# Altium PCB 10515.0462_全联供主板(2拼版)_V1.0.PcbDoc (part 7 of 18) (continued)
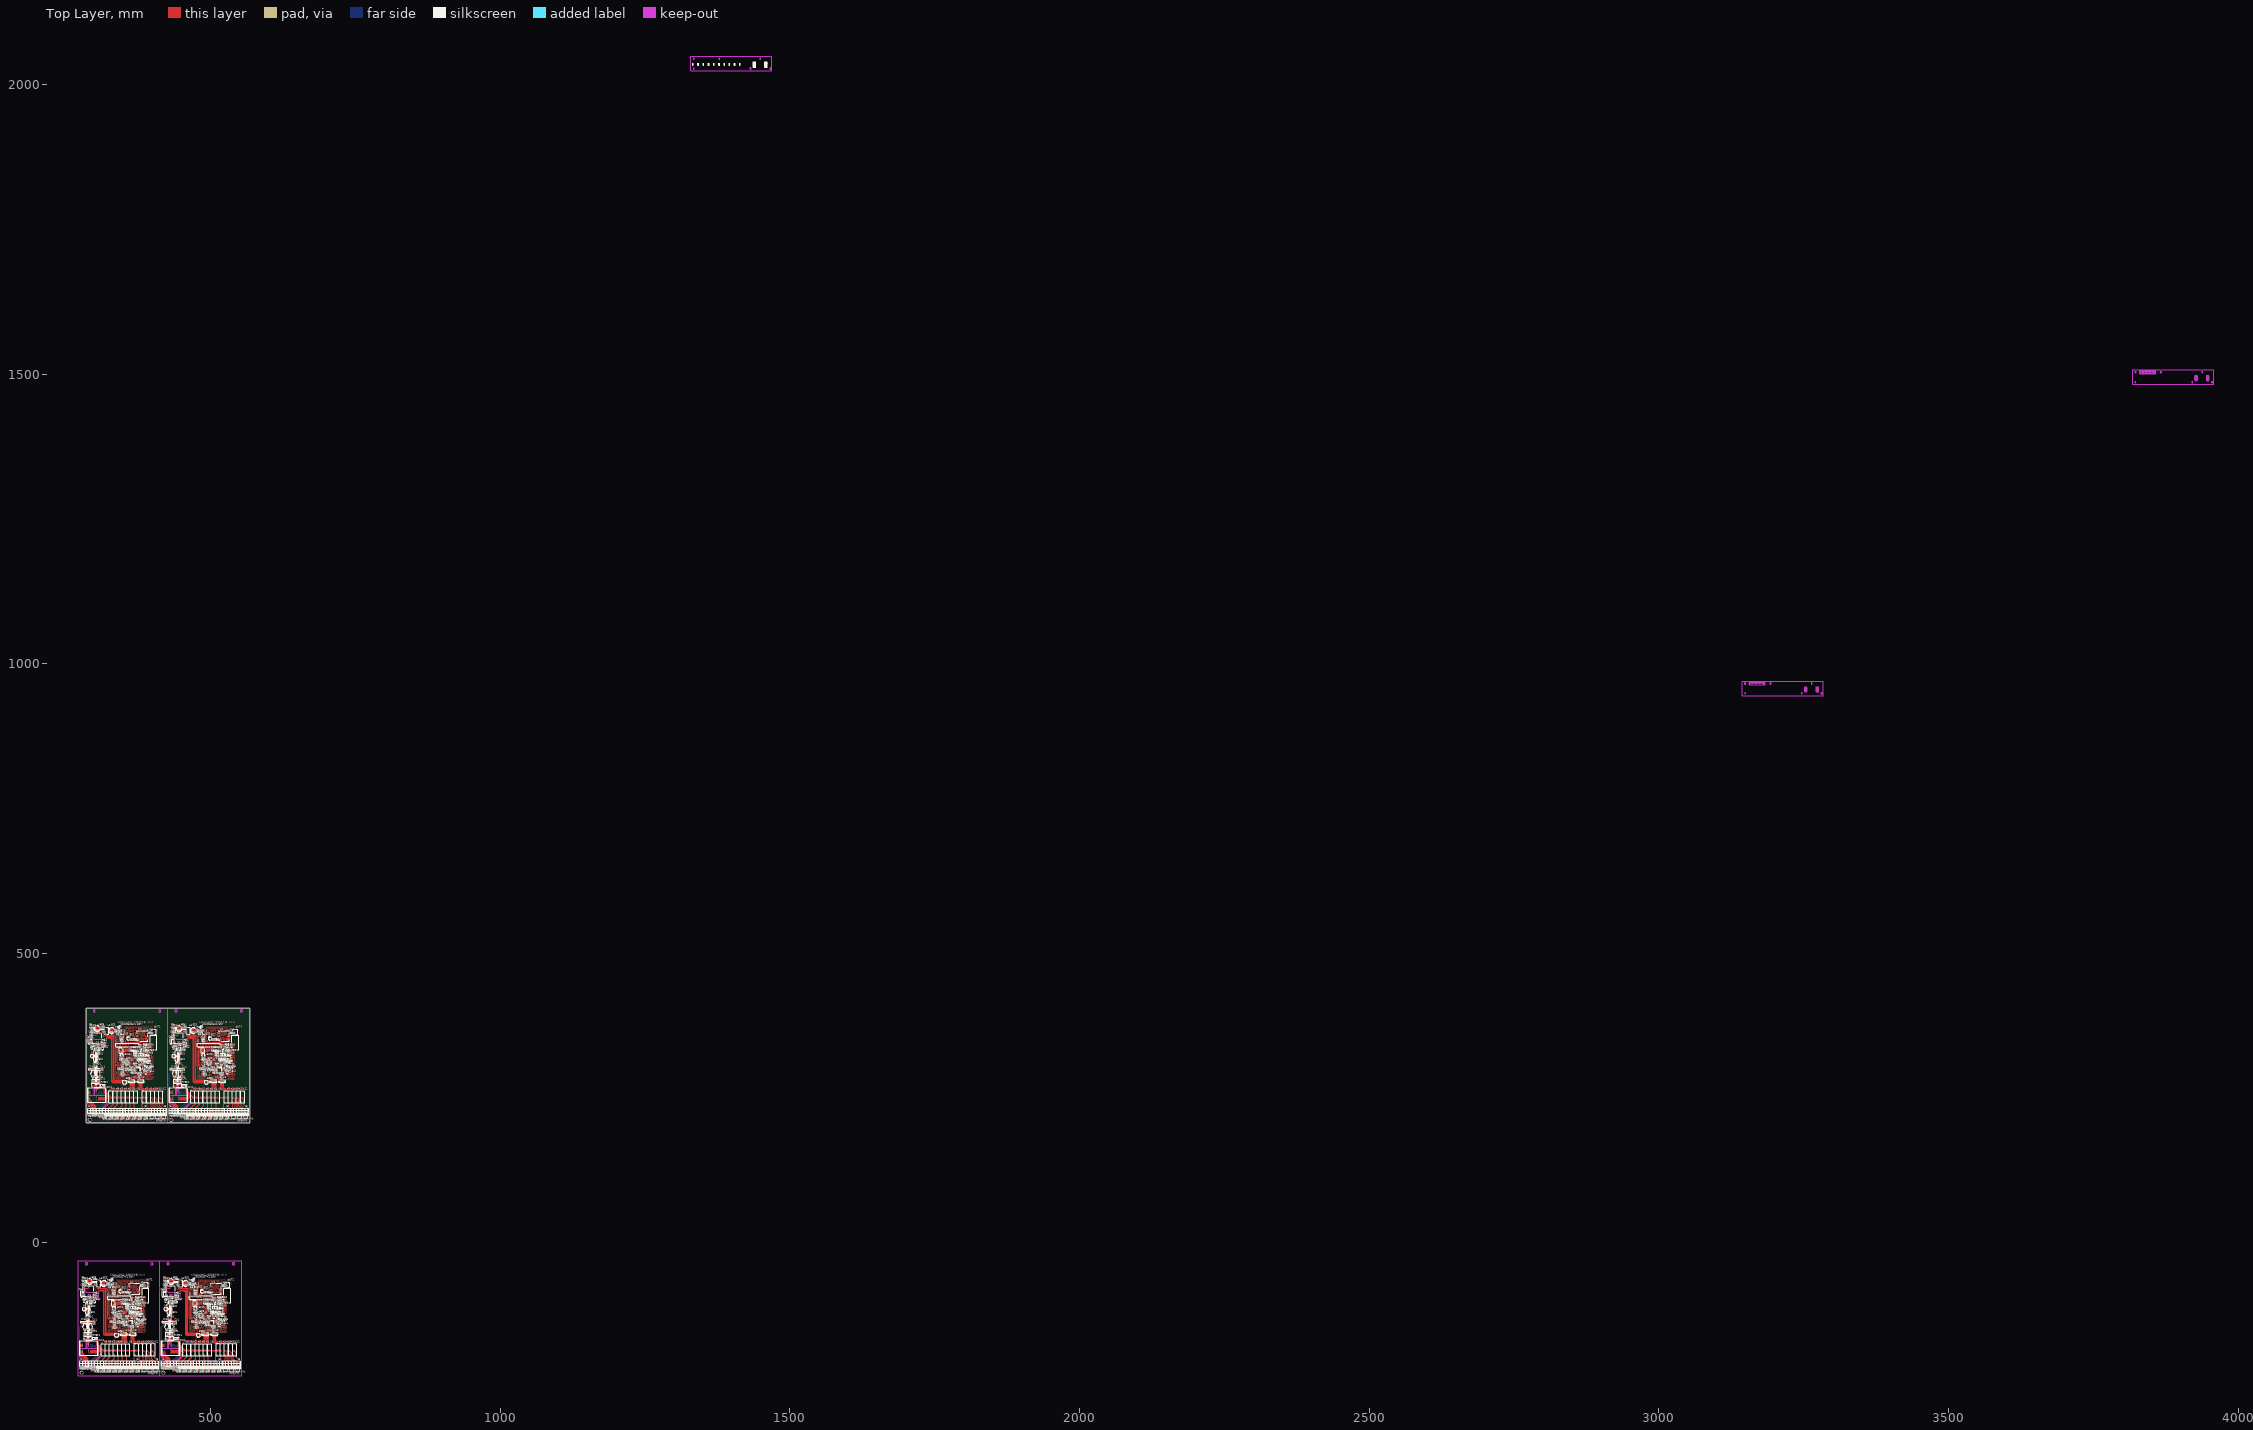
[diagram p0: Top Layer view]
## Nets (pads, with @x,y where several pads share a name; then routed paths per layer and width w, separated by ;. In a path a pad name is that pad's centre, name@x,y a point inside that pad or via, vN(x,y) a via of type N, cw(c..) or ccw(c..) an arc to the next point about the centre after c; other vN are vias at no path point) (continued)
488.145,293.81 488.145,295.08 488.145,295.887 488.365,296.107 v1(491.032,296.107) ; 486.01,345.95 cw(c486.453,345.507) 486.744,346.062 ; 486.356,346.295 cw(c486.828,345.823) 486.828,346.491 ; 486.492,345.848 ccw(c486.117,346.222) 486.647,346.222 ; 486.7,346.094 ccw(c486.39,345.785) 486.39,346.222 ccw(c486.39,346.66) 486.7,346.351 ; 486.852,-158.804 cw(c485.967,-159.688) 487.218,-159.688 ; 486.986,-136.564 ccw(c486.676,-136.873) 486.676,-136.435 ccw(c486.676,-135.997) 486.986,-136.307 ; 487.343,-160.438 487.343,-159.295 486.683,-158.635 ; 487.343,-159.919 487.309,-159.885 487.309,-158.635 ; 487.343,-154.85 487.343,-156.236 ; 487.415,262.745 ccw(c486.882,263.498) 487.804,263.498 ; 487.463,-105.32 487.465,-105.318 ; 487.69,-156.984 487.343,-156.637 487.343,-156.236 ; 487.804,261.843 487.804,263.498 ; 487.991,305.543 cw(c487.681,305.233) 488.119,305.233 cw(c488.557,305.233) 488.248,305.543 ; 488.017,294.952 cw(c487.707,294.642) 488.145,294.642 cw(c488.583,294.642) 488.273,294.952 ; 488.017,295.208 ccw(c487.707,295.518) 488.145,295.518 ccw(c488.583,295.518) 488.273,295.208 ; 488.071,-86.107 492.034,-86.107 492.161,-85.98 ; 488.08,298.637 ccw(c487.77,298.947) 488.208,298.947 ccw(c488.646,298.947) 488.337,298.637 ; v1(488.119,302.466) 488.119,305.544 ; 488.194,262.745 cw(c488.726,263.498) 487.804,263.498 ; 488.495,-174.752 488.495,-173.765 489.502,-172.757 493.566,-172.757 494.963,-171.36 494.963,-169.074 494.963,-160.438 ; 488.71,-174.336 cw(c489.715,-174.03) 488.972,-173.288 ; 488.836,-86.107 ccw(c488.836,-85.644) 489.163,-85.971 ; 488.836,-84.456 ccw(c488.836,-83.993) 489.163,-84.32 ; 488.871,-86.107 cw(c488.871,-86.52) 489.163,-86.228 ; 488.871,-84.456 cw(c488.871,-84.869) 489.163,-84.577 ; 489.14,-174.205 cw(c490.527,-173.782) 489.502,-172.757 ; 489.419,-86.228 cw(c489.712,-86.52) 489.712,-86.107 ; 489.419,-85.971 ccw(c489.746,-85.644) 489.746,-86.107 ; 489.419,-84.577 cw(c489.712,-84.869) 489.712,-84.456 ; 489.419,-84.32 ccw(c489.746,-83.993) 489.746,-84.456 ; 489.642,305.543 cw(c489.353,305.254) 489.762,305.254 ; 489.668,294.952 cw(c489.358,294.642) 489.796,294.642 cw(c490.234,294.642) 489.924,294.952 ; 489.731,298.637 ccw(c489.421,298.947) 489.859,298.947 ccw(c490.297,298.947) 489.988,298.637 ; 489.762,305.213 cw(c490.229,305.213) 489.899,305.543 ; 489.762,305.505 489.762,304.639 490.188,304.213 492.019,304.213 ; 489.859,298.509 489.859,302.51 490.293,302.943 492.019,302.943 494.166,302.943 494.622,303.399 ; 489.962,294.952 cw(c490.272,294.642) 490.272,295.08 cw(c490.272,295.518) 489.962,295.208 ; 490.533,-86.235 ccw(c490.223,-86.545) 490.223,-86.107 ccw(c490.223,-85.669) 490.533,-85.978 ; 490.533,-84.584 ccw(c490.223,-84.894) 490.223,-84.456 ccw(c490.223,-84.018) 490.533,-84.327 ; 490.789,-86.235 cw(c491.099,-86.545) 491.099,-86.107 cw(c491.099,-85.669) 490.789,-85.978 ; 490.789,-84.546 cw(c491.191,-84.947) 491.191,-84.379 ; 490.899,-143.143 490.901,-143.141 491.754,-143.141 492.727,-143.141 ; 491.027,-143.272 cw(c491.343,-143.587) 491.343,-143.141 ; 491.027,-143.015 ccw(c491.331,-142.711) 491.331,-143.141 ; v1(491.323,298.484) 494.699,298.484 499.271,298.484 ; 491.378,-86.107 ccw(c491.378,-85.235) 491.994,-85.851 ; v1(491.401,295.08) 489.796,295.08 489.796,293.81 490.054,293.552 492.089,293.552 ; v1(491.895,-141.49) 492.657,-141.49 ; 492.019,300.403 494.481,300.403 494.724,300.16 496.146,300.16 ; 492.019,301.673 496.071,301.673 496.146,301.748 ; 492.423,-160.438 492.423,-167.677 492.423,-169.963 491.28,-171.106 476.167,-171.106 474.175,-173.098 ; 492.599,-143.269 ccw(c492.289,-143.579) 492.289,-143.141 ccw(c492.289,-142.703) 492.599,-143.013 ; 492.599,-141.618 ccw(c492.289,-141.928) 492.289,-141.49 ccw(c492.289,-141.052) 492.599,-141.362 ; 492.727,-141.49 493.419,-141.49 v1@493.888,-141.021 ; 492.855,-141.618 cw(c493.165,-141.928) 493.165,-141.49 cw(c493.165,-141.052) 492.855,-141.362 ; 493.141,-96.175 cw(c492.225,-97.092) 493.521,-97.092 cw(c494.817,-97.092) 493.901,-96.175 ; v1@493.151,-133.126 v1@493.151,-127.28 ; 493.151,-127.888 cw(c493.886,-127.888) v1@493.367,-127.368 ; 493.176,302.943 ccw(c493.176,304.807) 494.494,303.489 ; 493.521,-95.795 493.521,-98.821 493.913,-99.213 497.977,-99.213 498.298,-99.534 498.298,-107.281 498.624,-107.606 500.15,-107.606 500.15,-107.65 ; 493.546,-141.363 ccw(c492.96,-140.777) v1@493.788,-140.747 ; 493.705,300.403 cw(c493.705,299.179) 494.571,300.045 ; 493.812,-85.98 493.962,-86.13 500.303,-86.13 ; 493.978,-85.851 ccw(c494.651,-85.179) 494.651,-86.13 ; 494.095,301.673 ccw(c494.095,302.236) 494.494,301.838 ; 494.247,303.024 cw(c494.622,302.649) 494.622,303.179 ; 494.262,302.943 ccw(c494.262,303.72) 494.812,303.171 ; 494.448,-105.32 494.448,-105.318 ; 494.571,298.355 ccw(c494.261,298.046) 494.261,298.484 ccw(c494.261,298.922) 494.571,298.612 ; 494.739,262.179 cw(c496.053,262.265) 495.122,263.195 ; 494.75,301.838 ccw(c495.148,302.236) 495.148,301.673 ; 494.801,-86.13 ccw(c494.801,-85.482) 495.259,-85.94 ; 494.827,298.355 cw(c495.137,298.046) 495.137,298.484 cw(c495.137,298.922) 494.827,298.612 ; 494.827,300.045 cw(c495.106,299.765) 495.106,300.16 ; 494.827,300.301 ccw(c495.167,300.641) 495.167,300.16 ; 494.964,261.843 494.964,263.037 496.527,264.6 505.798,264.6 507.322,266.124 507.322,268.41 507.322,276.157 ; 495.12,-173.925 ccw(c492.432,-171.237) 496.233,-171.237 ; 495.188,262.208 cw(c497.371,262.351) 495.824,263.898 ; 495.259,-84.508 ccw(c494.949,-84.817) 494.949,-84.379 ccw(c494.949,-83.941) 495.259,-84.251 ; 495.438,-174.243 ccw(c493.518,-172.323) 496.233,-172.323 ; 495.515,-85.94 ccw(c495.974,-85.482) 495.974,-86.13 ; 495.515,-84.508 cw(c495.825,-84.817) 495.825,-84.379 cw(c495.825,-83.941) 495.515,-84.251 ; 495.619,301.673 ccw(c495.619,302.236) 496.018,301.838 ; 495.637,262.238 cw(c498.689,262.437) 496.527,264.6 ; 495.756,-174.561 ccw(c494.605,-173.41) 496.233,-173.41 ; 495.931,-128.218 ccw(c495.591,-127.877) 496.072,-127.877 ; 495.965,-129.626 ccw(c495.645,-129.306) 496.098,-129.306 ; 495.969,-128.474 cw(c495.66,-128.784) 496.098,-128.784 cw(c496.535,-128.784) 496.226,-128.474 ; 495.979,300.032 ccw(c495.67,299.722) 495.67,300.16 ccw(c495.67,300.598) 495.979,300.288 ; 496.072,-128.321 v1(496.072,-127.28) ; 496.072,-127.939 ccw(c496.467,-127.939) 496.188,-128.218 ; 496.098,-129.721 496.098,-128.346 ; 496.098,-129.327 ccw(c496.521,-129.327) 496.222,-129.626 ; 496.099,-103.669 496.111,-103.658 v1(496.961,-103.658) ; 496.101,-101.941 v1(496.945,-101.941) ; 496.146,303.399 v1(497.076,303.399) ; 496.198,-86.13 ccw(c496.198,-85.482) 496.656,-85.94 ; 496.233,-171.83 496.233,-171.222 ; 496.233,-160.438 496.233,-171.222 ; 496.265,-103.798 cw(c496.603,-104.135) 496.603,-103.658 ; 496.265,-103.541 ccw(c496.548,-103.259) 496.548,-103.658 ; 496.268,-102.07 cw(c496.577,-102.379) 496.577,-101.941 cw(c496.577,-101.503) 496.268,-101.813 ; 496.274,303.27 cw(c496.584,302.961) 496.584,303.399 cw(c496.584,303.837) 496.274,303.527 ; 496.503,-116.209 496.551,-116.162 ; 496.656,-84.508 ccw(c496.346,-84.817) 496.346,-84.379 ccw(c496.346,-83.941) 496.656,-84.251 ; 496.912,-85.94 ccw(c497.371,-85.482) 497.371,-86.13 ; 496.912,-84.508 cw(c497.222,-84.817) 497.222,-84.379 cw(c497.222,-83.941) 496.912,-84.251 ; 497.595,-86.13 ccw(c497.595,-85.482) 498.053,-85.94 ; 497.616,-129.626 ccw(c497.296,-129.306) 497.749,-129.306 ; 497.62,-128.474 cw(c497.311,-128.784) 497.749,-128.784 cw(c498.186,-128.784) 497.877,-128.474 ; 497.749,-129.721 497.749,-128.346 497.985,-128.11 v1(498.612,-128.11) ccw(c498.612,-128.953) 497.933,-128.453 ; 497.749,-129.327 ccw(c498.172,-129.327) 497.873,-129.626 ; 497.797,300.16 500.73,300.16 ; 497.963,300.032 cw(c498.273,299.722) 498.273,300.16 cw(c498.273,300.598) 497.963,300.288 ; 498.053,-84.508 ccw(c497.743,-84.817) 497.743,-84.379 ccw(c497.743,-83.941) 498.053,-84.251 ; 498.104,356.336 cw(c496.781,355.013) 498.652,355.013 cw(c500.523,355.013) 499.2,356.336 ; 498.309,-85.94 ccw(c498.768,-85.482) 498.768,-86.13 ; 498.309,-84.508 cw(c498.619,-84.817) 498.619,-84.379 cw(c498.619,-83.941) 498.309,-84.251 ; 498.587,-84.379 ccw(c498.587,-82.864) 499.659,-83.936 ; 498.652,349.884 499.256,350.489 ; 498.652,356.884 498.652,352.876 499.096,352.432 499.388,352.14 504.29,352.14 504.366,352.216 513.682,352.216 513.932,352.465 ; 498.802,300.16 ccw(c498.802,300.641) 499.143,300.301 ; 498.863,300.16 cw(c498.863,299.765) 499.143,300.045 ; 499.117,277.96 500.311,277.96 ; 499.143,298.355 ccw(c498.833,298.046) 498.833,298.484 ccw(c498.833,298.922) 499.143,298.612 ; 499.245,277.832 cw(c499.555,277.523) 499.555,277.96 cw(c499.555,278.398) 499.245,278.089 ; 499.245,279.483 cw(c499.555,279.174) 499.555,279.611 cw(c499.555,280.049) 499.245,279.74 ; 499.399,300.045 cw(c499.678,299.765) 499.678,300.16 ; 499.399,300.301 ccw(c499.739,300.641) 499.739,300.16 ; 499.659,-86.324 ccw(c499.189,-86.794) 499.189,-86.13 ccw(c499.189,-85.466) 499.659,-85.936 ; 499.779,-107.978 ccw(c498.883,-108.874) 498.883,-107.606 ccw(c498.883,-106.339) 499.779,-107.235 ; 499.893,-114.591 499.998,-114.591 500.131,-114.459 ; 500.48,277.791 cw(c499.596,276.907) 500.847,276.907 ; 500.615,300.032 ccw(c500.305,299.722) 500.305,300.16 ccw(c500.305,300.598) 500.615,300.288 ; 500.854,-158.763 ccw(c500.544,-159.073) 500.544,-158.635 ccw(c500.544,-158.197) 500.854,-158.507 ; 500.854,-157.112 ccw(c500.544,-157.422) 500.544,-156.984 ccw(c500.544,-156.546) 500.854,-156.856 ; 500.972,276.157 500.972,277.3 500.311,277.96 ; 500.972,276.676 500.938,276.71 500.938,277.96 ; 500.972,281.745 500.972,280.359 ; 501.092,331.275 501.094,331.277 ; 501.11,-157.112 cw(c501.42,-157.422) 501.42,-156.984 cw(c501.42,-156.546) 501.11,-156.856 ; 501.319,279.611 500.972,279.959 500.972,280.359 ; 501.7,350.489 505.662,350.489 505.789,350.616 ; 501.758,-112.781 501.78,-112.803 ; 502.124,261.843 502.124,262.831 503.131,263.838 507.195,263.838 508.592,265.235 508.592,267.521 508.592,276.157 ; 502.129,-158.587 cw(c501.028,-159.688) 502.585,-159.688 ; 502.339,262.259 cw(c503.343,262.565) 502.601,263.308 ; 502.465,350.489 ccw(c502.465,350.951) 502.792,350.624 ; 502.465,352.14 ccw(c502.465,352.602) 502.792,352.275 ; 502.499,350.489 cw(c502.499,350.076) 502.792,350.368 ; 502.499,352.14 cw(c502.499,351.727) 502.792,352.019 ; 502.7,-159.688 501.646,-158.635 501.406,-158.635 ; 502.71,-160.565 502.71,-160.438 502.71,-159.168 502.177,-158.635 501.406,-158.635 ; 502.71,-156.236 501.962,-156.984 501.787,-156.984 ; 502.71,-154.977 502.71,-156.628 ; 502.769,262.39 cw(c504.156,262.813) 503.131,263.838 ; 503.048,350.368 cw(c503.34,350.076) 503.34,350.489 ; 503.048,350.624 ccw(c503.375,350.951) 503.375,350.489 ; 503.048,352.019 cw(c503.34,351.727) 503.34,352.14 ; 503.048,352.275 ccw(c503.375,352.602) 503.375,352.14 ; v1(503.692,-117.755) 503.692,-116.975 503.917,-116.75 503.917,-116.052 504.234,-115.734 505.377,-115.734 505.568,-115.544 505.568,-114.591 ; v1@503.692,-117.638 cw(c504.766,-117.638) 504.007,-116.879 ; 503.725,-150.127 cw(c503.415,-150.437) 503.853,-150.437 cw(c504.291,-150.437) 503.981,-150.127 ; 503.788,-116.622 ccw(c503.479,-116.312) 503.917,-116.312 ccw(c504.354,-116.312) 504.045,-116.622 ; v1(503.853,-150.913) 503.853,-149.961 ; 503.917,-119.117 503.917,-118.909 ; 503.98,-160.565 503.98,-169.582 503.98,-171.868 504.488,-172.376 509.822,-172.376 510.456,-173.01 ; 504.162,350.361 ccw(c503.852,350.051) 503.852,350.489 ccw(c503.852,350.927) 504.162,350.617 ; 504.162,352.012 ccw(c503.852,351.702) 503.852,352.14 ccw(c503.852,352.578) 504.162,352.268 ; 504.418,350.361 cw(c504.728,350.051) 504.728,350.489 cw(c504.728,350.927) 504.418,350.617 ; 504.418,352.05 cw(c504.82,351.648) 504.82,352.216 ; 504.528,293.452 504.53,293.454 505.383,293.454 506.356,293.454 ; 504.656,293.324 cw(c504.971,293.009) 504.971,293.454 ; 504.656,293.58 ccw(c504.96,293.885) 504.96,293.454 ; 505.007,350.489 ccw(c505.007,351.36) 505.623,350.744 ; 505.225,-146.168 cw(c504.937,-146.465) 505.352,-146.465 ; 505.25,-160.565 505.25,-168.932 505.25,-171.218 505.758,-171.726 516.411,-171.726 517.568,-172.883 ; 505.352,-146.467 cw(c505.701,-146.467) 505.496,-146.184 ; 505.352,-146.037 505.352,-146.465 ; 505.439,-114.72 cw(c505.13,-115.029) 505.568,-115.029 cw(c506.005,-115.029) 505.696,-114.72 ; 505.478,-146.168 ccw(c505.766,-146.465) 505.352,-146.465 ; v1(505.524,295.105) 506.286,295.105 ; 505.571,-146.042 ccw(c507.033,-146.079) v1@505.999,-147.113 ; 505.803,-112.969 cw(c505.803,-113.959) 506.503,-113.259 ; 505.803,-112.559 v1@506.994,-113.751 ; 506.052,276.157 506.052,268.918 506.052,266.632 504.909,265.489 489.796,265.489 487.804,263.498 ; v1(506.105,-144.425) 507.003,-145.322 507.003,-146.037 ; 506.15,-112.623 ccw(c506.833,-112.623) 506.35,-113.106 ; 506.228,293.326 ccw(c505.918,293.017) 505.918,293.454 ccw(c505.918,293.892) 506.228,293.583 ; 506.228,294.977 ccw(c505.918,294.668) 505.918,295.105 ccw(c505.918,295.543) 506.228,295.234 ; v1(506.232,-147.346) 505.352,-146.465 ; v1(506.232,-120.041) 511.058,-120.041 511.727,-119.372 v1(511.727,-117.12) 511.727,-116.179 ; 506.356,295.105 507.048,295.105 v1@507.516,295.574 ; 506.484,294.977 cw(c506.794,294.668) 506.794,295.105 cw(c506.794,295.543) 506.484,295.234 ; 506.52,-160.565 506.52,-168.282 506.52,-170.568 507.028,-171.076 523,-171.076 524.687,-172.763 ; 506.77,340.42 cw(c505.853,339.504) 507.15,339.504 cw(c508.446,339.504) 507.529,340.42 ; v1@506.78,303.469 v1@506.78,309.315 ; 506.78,308.707 cw(c507.515,308.707) v1@506.995,309.227 ; 506.846,-113.602 cw(c506.517,-113.931) v1@506.982,-113.931 ; 506.874,-145.909 ccw(c506.565,-145.599) 507.003,-145.599 ccw(c507.441,-145.599) 507.131,-145.909 ; 507.15,340.8 507.15,337.775 507.542,337.382 511.606,337.382 511.927,337.061 511.927,329.314 512.252,328.989 513.779,328.989 513.779,328.945 ; 507.175,295.232 ccw(c506.589,295.818) v1@507.417,295.849 ; 507.44,350.616 507.591,350.465 513.932,350.465 ; 507.607,350.744 ccw(c508.279,351.417) 508.279,350.465 ; 507.79,-160.565 507.79,-167.505 507.79,-169.791 508.425,-170.426 530.71,-170.426 531.799,-171.516 531.799,-174.625 ; 508.044,-117.131 508.044,-117.449 509.505,-118.909 ; 508.077,331.275 508.077,331.277 ; 508.391,-117.195 ccw(c509.84,-117.195) 508.815,-118.22 ; 508.429,350.465 ccw(c508.429,351.113) 508.888,350.655 ; 508.748,262.671 ccw(c506.061,265.358) 509.862,265.358 ; 508.888,352.088 ccw(c508.578,351.778) 508.578,352.216 ccw(c508.578,352.654) 508.888,352.344 ; 509.044,-114.631 509.148,-114.528 ; 509.044,-110.469 cw(c509.044,-111.459) 509.744,-110.759 cw(c510.444,-110.059) 509.454,-110.059 ; 509.044,-110.059 510.263,-111.278 511.41,-111.278 ; 509.06,-160.565 509.06,-166.661 509.06,-168.947 509.889,-169.776 537.426,-169.776 539.038,-171.389 539.038,-174.625 ; 509.067,262.353 ccw(c507.147,264.272) 509.862,264.272 ; 509.13,-118.535 cw(c508.755,-118.909) 509.285,-118.909 ; 509.144,350.655 ccw(c509.602,351.113) 509.602,350.465 ; 509.144,352.088 cw(c509.454,351.778) 509.454,352.216 cw(c509.454,352.654) 509.144,352.344 ; 509.3,-98.197 516.011,-98.197 517.916,-98.197 ; 509.3,-95.657 520.202,-95.657 520.837,-96.292 520.837,-97.943 ; 509.385,262.034 ccw(c508.234,263.186) 509.862,263.186 ; 509.56,308.378 ccw(c509.22,308.718) 509.701,308.718 ; 509.594,306.969 ccw(c509.274,307.289) 509.726,307.289 ; 509.598,308.121 cw(c509.288,307.812) 509.726,307.812 cw(c510.164,307.812) 509.855,308.121 ; 509.671,-98.568 cw(c510.567,-99.464) 510.567,-98.197 cw(c510.567,-96.93) 509.671,-97.826 ; 509.671,-96.028 cw(c510.567,-96.924) 510.567,-95.657 cw(c510.567,-94.39) 509.671,-95.286 ; 509.701,308.275 v1(509.701,309.315) ; 509.701,308.657 ccw(c510.095,308.657) 509.816,308.378 ; 509.726,306.875 509.726,308.249 ; 509.726,307.269 ccw(c510.15,307.269) 509.85,306.969 ; 509.728,332.926 509.739,332.937 v1(510.59,332.937) ; 509.73,334.654 v1(510.574,334.654) ; 509.826,350.465 ccw(c509.826,351.113) 510.285,350.655 ; 509.862,264.765 509.862,265.373 ; 509.862,276.157 509.862,265.373 ; 509.894,332.798 cw(c510.231,332.461) 510.231,332.937 ; 509.894,333.054 ccw(c510.176,333.336) 510.176,332.937 ; 509.897,334.526 cw(c510.206,334.216) 510.206,334.654 cw(c510.206,335.092) 509.897,334.782 ; 509.994,-112.559 509.994,-113.135 510.169,-113.31 v1(510.931,-113.31) ; 510.08,-173.714 ccw(c509.609,-173.01) 510.456,-173.01 ; 510.132,320.386 510.179,320.434 ; 510.169,-103.306 cw(c510.169,-104.296) 510.869,-103.596 ; 510.169,-102.896 511.727,-104.454 511.727,-109.944 ; 510.28,-133.286 v1@510.28,-127.28 ; 510.28,-132.503 ccw(c511.152,-132.503) 510.535,-133.119 ; 510.285,352.088 ccw(c509.975,351.778) 509.975,352.216 ccw(c509.975,352.654) 510.285,352.344 ; 510.456,-174.625 510.456,-173.01 ; 510.516,-102.959 ccw(c511.199,-102.959) 510.716,-103.443 ; 510.541,350.655 ccw(c510.999,351.113) 510.999,350.465 ; 510.541,352.088 cw(c510.851,351.778) 510.851,352.216 cw(c510.851,352.654) 510.541,352.344 ; 510.615,-111.278 cw(c510.615,-112.67) 511.599,-111.686 ; 510.832,-173.714 cw(c511.303,-173.01) 510.456,-173.01 ; 511.223,350.465 ccw(c511.223,351.113) 511.682,350.655 ; 511.245,306.969 ccw(c510.925,307.289) 511.377,307.289 ; 511.249,308.121 cw(c510.939,307.812) 511.377,307.812 cw(c511.815,307.812) 511.506,308.121 ; 511.377,306.875 511.377,308.249 511.614,308.486 v1(512.241,308.486) ccw(c512.241,307.643) 511.562,308.142 ; 511.377,307.269 ccw(c511.801,307.269) 511.501,306.969 ; 511.599,-116.345 cw(c511.289,-116.655) 511.727,-116.655 cw(c512.165,-116.655) 511.855,-116.345 ; 511.599,-109.778 ccw(c511.289,-109.468) 511.727,-109.468 ccw(c512.165,-109.468) 511.855,-109.778 ; 511.682,352.088 ccw(c511.372,351.778) 511.372,352.216 ccw(c511.372,352.654) 511.682,352.344 ; 511.938,350.655 ccw(c512.396,351.113) 512.396,350.465 ; 511.938,352.088 cw(c512.248,351.778) 512.248,352.216 cw(c512.248,352.654) 511.938,352.344 ; 512.216,352.216 ccw(c512.216,353.731) 513.287,352.66 ; 512.362,-139.293 513.979,-139.293 514.37,-138.902 514.37,-137.463 514.82,-137.013 ; 512.49,-139.421 cw(c512.8,-139.731) 512.8,-139.293 cw(c512.8,-138.855) 512.49,-139.165 ; 512.884,-139.293 ccw(c512.884,-137.541) 514.123,-138.78 ; 513.287,350.271 ccw(c512.818,349.802) 512.818,350.465 ccw(c512.818,351.129) 513.287,350.66 ; 513.408,328.618 ccw(c512.512,327.722) 512.512,328.989 ccw(c512.512,330.257) 513.408,329.36 ; 513.522,322.004 513.627,322.004 513.76,322.137 ; 513.668,-98.197 ccw(c513.668,-95.727) 515.415,-97.473 ; 514.123,-141.775 cw(c513.157,-142.74) 514.522,-142.74 ; 514.123,-138.53 ccw(c513.525,-137.932) 514.37,-137.932 ccw(c515.215,-137.932) 514.618,-138.53 ; 514.37,-141.402 514.522,-141.555 514.522,-143.27 514.522,-144.057 514.709,-144.243 517.442,-144.243 517.823,-143.862 517.823,-139.633 v1(517.789,-139.599) 517.092,-138.902 ; 514.37,-138.445 cw(c516.213,-138.445) 514.91,-137.142 ; 514.37,-137.623 cw(c514.798,-137.623) 514.786,-137.195 ; 514.37,-137.358 cw(c515.126,-137.358) 514.592,-136.823 ; 514.394,-143.398 cw(c514.084,-143.708) 514.522,-143.708 cw(c514.96,-143.708) 514.651,-143.398 ; 514.394,-143.142 ccw(c514.084,-142.832) 514.522,-142.832 ccw(c514.96,-142.832) 514.651,-143.142 ; 514.445,-137.388 ccw(c514.07,-137.013) 514.6,-137.013 ; 514.483,277.832 ccw(c514.173,277.523) 514.173,277.96 ccw(c514.173,278.398) 514.483,278.089 ; 514.483,279.483 ccw(c514.173,279.174) 514.173,279.611 ccw(c514.173,280.049) 514.483,279.74 ; v1(514.597,-110.406) 515.453,-110.406 ; 514.739,279.483 cw(c515.049,279.174) 515.049,279.611 cw(c515.049,280.049) 514.739,279.74 ; 514.754,-98.197 ccw(c514.754,-96.813) 515.733,-97.792 ; 514.894,-98.197 cw(c514.894,-98.933) 515.415,-98.413 ; 515.122,-133.52 ccw(c514.813,-133.21) 515.251,-133.21 ccw(c515.689,-133.21) 515.379,-133.52 ; 515.251,-133.648 515.251,-132.994 515.63,-132.614 517.662,-132.614 518.515,-131.761 518.515,-131.285 ; 515.325,-110.534 ccw(c515.015,-110.844) 515.015,-110.406 ccw(c515.015,-109.968) 515.325,-110.278 ; 515.386,323.814 515.408,323.792 ; 515.453,-110.279 515.809,-110.635 v1(519.884,-110.635) v1@520.011,-110.635 ; 515.581,-110.316 ccw(c516.351,-109.546) 516.351,-110.635 ; 515.758,278.008 cw(c514.657,276.907) 516.214,276.907 ; 515.796,-103.613 cw(c514.662,-104.746) 516.265,-104.746 cw(c517.868,-104.746) 516.735,-103.613 ; 515.815,-102.655 ccw(c514.864,-101.626) v1(516.265,-101.626) ccw(c517.666,-101.626) 516.716,-102.655 ; 516.045,-143.142 ccw(c515.735,-142.832) 516.173,-142.832 ccw(c516.611,-142.832) 516.302,-143.142 ; 516.123,-138.53 ccw(c515.525,-137.932) 516.37,-137.932 ccw(c517.215,-137.932) 516.618,-138.53 ; 516.173,-143.27 516.173,-141.599 516.37,-141.402 ; 516.173,-142.847 cw(c517.69,-142.847) 516.618,-141.775 ; 516.265,-105.311 516.265,-103.143 v1(516.265,-101.626) ; 516.265,-104.603 ccw(c517.446,-104.603) 516.611,-105.438 ; 516.305,-138.951 cw(c516.722,-139.435) 517.173,-138.983 ; 516.329,-117.047 ccw(c514.783,-115.501) 516.97,-115.501 ; 516.328,276.907 515.275,277.96 515.035,277.96 ; 516.339,276.03 516.339,276.157 516.339,277.427 515.805,277.96 515.035,277.96 ; 516.339,280.359 515.591,279.611 515.416,279.611 ; 516.339,281.618 516.339,279.967 ; 516.36,-138.928 cw(c516.504,-140.386) 517.54,-139.35 ; 516.37,-137.602 cw(c517.021,-137.602) 516.561,-137.142 ; 516.457,-117.213 516.97,-116.701 516.97,-114.349 ; 516.457,-116.994 ccw(c516.457,-116.464) 516.832,-116.839 ; 516.471,-137.013 516.37,-137.114 516.37,-138.902 517.092,-138.902 ; 516.599,-139.292 cw(c517.039,-139.803) 517.516,-139.326 ; 516.645,-139.119 cw(c517.092,-139.472) 517.092,-138.902 ; 516.645,-138.685 ccw(c517.092,-138.332) 517.092,-138.902 ; 516.647,-117.365 ccw(c515.869,-116.587) 516.97,-116.587 ; 516.773,-135.164 ccw(c516.464,-134.854) 516.902,-134.854 ccw(c517.34,-134.854) 517.03,-135.164 ; 516.773,-133.777 cw(c516.464,-134.086) 516.902,-134.086 cw(c517.34,-134.086) 517.03,-133.777 ; 516.902,-133.648 516.902,-135.254 518.679,-135.254 518.683,-135.258 ; 516.97,-110.635 516.97,-108.253 ; 517.03,-135.421 cw(c517.432,-135.822) 517.432,-135.254 ; 517.116,-98.413 cw(c517.636,-98.933) 517.636,-98.197 ; 517.15,-173.745 ccw(c516.471,-172.883) 517.568,-172.883 ; 517.277,-97.735 ccw(c517.916,-97.524) 517.916,-98.197 ; v1(517.321,318.84) 517.321,319.621 517.545,319.845 517.545,320.544 517.863,320.861 519.006,320.861 519.196,321.052 519.196,322.004 ; v1@517.321,318.957 cw(c518.395,318.957) 517.635,319.717 ; 517.354,286.468 cw(c517.044,286.159) 517.482,286.159 cw(c517.92,286.159) 517.61,286.468 ; 517.417,319.973 ccw(c517.107,320.283) 517.545,320.283 ccw(c517.983,320.283) 517.674,319.973 ; v1(517.482,285.682) 517.482,286.635 ; 517.545,317.479 517.545,317.686 ; 517.568,-174.625 517.568,-172.883 ; 517.609,276.03 517.609,267.013 517.609,264.727 518.117,264.219 523.451,264.219 524.085,263.585 ; v1@517.701,-139.687 cw(c517.406,-139.983) 517.823,-139.983 ; 517.877,-117.047 ccw(c517.003,-116.173) v1@518.24,-116.173 ; 517.963,-132.313 ccw(c517.491,-131.841) 518.047,-131.47 ; 517.986,-173.745 cw(c518.665,-172.883) 517.568,-172.883 ; 518.006,-117.213 518.24,-116.98 v1(518.24,-116.104) 518.24,-114.349 ; 518.044,-105.438 ccw(c517.734,-105.129) 518.172,-105.129 ccw(c518.61,-105.129) 518.3,-105.438 ; 518.08,-135.254 cw(c518.08,-135.822) 518.482,-135.421 ; 518.082,-105.695 cw(c517.701,-106.076) 518.24,-106.076 ; 518.172,-105.567 518.172,-98.453 517.916,-98.197 ; 518.24,-108.253 518.24,-105.634 ; v1@518.309,-116.001 519.51,-116.001 519.51,-114.349 ; v1@518.328,-116.192 cw(c518.79,-116.654) 518.79,-116.001 ; 518.418,-133.964 cw(c517.778,-134.604) 518.683,-134.604 cw(c519.588,-134.604) 518.948,-133.964 ; 518.558,-135.164 ccw(c518.257,-134.863) 518.683,-134.863 ; 518.649,-135.292 518.683,-135.258 ; 518.683,-134.846 ccw(c519.133,-134.846) 518.815,-135.164 ; 518.683,-133.757 518.683,-135.258 ; 518.854,290.428 cw(c518.566,290.13) 518.98,290.13 ; 518.879,276.03 518.879,267.663 518.879,265.377 519.387,264.869 530.04,264.869 531.197,263.712 ; 518.98,290.128 cw(c519.329,290.128) 519.125,290.411 ; 518.98,290.558 518.98,290.13 ; 519.068,321.876 cw(c518.758,321.566) 519.196,321.566 cw(c519.634,321.566) 519.325,321.876 ; 519.107,290.428 ccw(c519.395,290.13) 518.98,290.13 ; 519.2,290.554 ccw(c520.662,290.517) v1@519.628,289.483 ; 519.377,-99.657 ccw(c517.757,-98.038) 520.046,-97.964 ; 519.432,323.626 cw(c519.432,322.636) 520.132,323.336 ; 519.432,324.036 v1@520.623,322.845 ; 519.554,-117.213 521.103,-117.213 ; 519.568,-105.438 ccw(c519.258,-105.129) 519.696,-105.129 ccw(c520.134,-105.129) 519.824,-105.438 ; 519.682,-117.342 cw(c519.992,-117.651) 519.992,-117.213 cw(c519.992,-116.775) 519.682,-117.085 ; 519.696,-105.567 519.696,-104.803 519.186,-104.293 519.186,-99.848 521.091,-97.943 ; v1(519.734,292.17) 520.631,291.273 520.631,290.558 ; 519.778,323.973 ccw(c520.462,323.973) 519.978,323.489 ; v1(519.861,289.249) 518.98,290.13 ; v1(519.861,316.554) 524.687,316.554 525.356,317.223 v1(525.356,319.475) 525.356,320.417 ; 520.111,-98.923 ccw(c519.181,-97.992) 520.496,-97.95 ; 520.149,276.03 520.149,268.313 520.149,266.027 520.657,265.519 536.629,265.519 538.316,263.832 ; 520.227,-98.807 cw(c520.71,-99.29) 520.71,-98.607 ; 520.294,-97.426 ccw(c519.383,-96.292) 520.837,-96.292 ; 520.3,-135.292 520.689,-135.292 522.283,-133.698 522.283,-131.517 522.515,-131.285 ; 520.338,-135.111 ccw(c520.338,-133.825) 521.247,-134.734 ; 520.475,322.993 cw(c520.146,322.664) v1@520.611,322.664 ; 520.503,290.686 ccw(c520.193,290.996) 520.631,290.996 ccw(c521.069,290.996) 520.76,290.686 ; 520.674,-102.626 ccw(c519.968,-101.753) v1(521.091,-101.753) ccw(c522.214,-101.753) 521.508,-102.626 ; 520.78,-117.155 520.78,-114.349 ; 520.78,-115.958 ccw(c522.32,-115.958) 521.231,-117.047 ; 520.78,-112.057 v1(520.78,-109.754) ; 520.837,-96.647 ccw(c522.007,-96.647) 521.18,-97.473 ; 520.974,-117.342 ccw(c520.665,-117.651) 520.665,-117.213 ccw(c520.665,-116.775) 520.974,-117.085 ; 521.091,-103.143 v1(521.091,-101.753) ; 521.257,-105.695 cw(c519.817,-107.135) 521.853,-107.135 ; 521.301,-134.68 ccw(c520.32,-133.698) 521.708,-133.698 ; 521.347,-105.567 521.853,-106.073 521.853,-110.389 v1(521.599,-110.643) ; 521.374,-105.748 cw(c521.344,-106.256) 521.853,-106.256 ; 521.419,276.03 521.419,269.09 521.419,266.804 522.054,266.169 544.338,266.169 545.428,265.08 545.428,261.97 ; v1@521.511,-110.555 ccw(c520.684,-109.728) 521.853,-109.728 ; 521.566,-105.567 ccw(c522.096,-105.567) 521.722,-105.941 ; 521.575,-105.377 cw(c520.903,-106.048) 521.853,-106.048 ; 521.673,319.464 521.673,319.147 523.133,317.686 ; 522.018,-133.433 ccw(c521.378,-132.793) 522.283,-132.793 ccw(c523.188,-132.793) 522.548,-133.433 ; 522.019,319.401 ccw(c523.469,319.401) 522.444,318.375 ; 522.117,-131.556 cw(c521.717,-131.956) 522.283,-131.956 ; 522.283,-133.076 cw(c524.433,-133.076) 522.913,-131.556 ; 522.283,-131.99 cw(c523.346,-131.99) 522.594,-131.238 ; 522.413,-71.776 522.579,-71.942 528.573,-71.942 ; 522.673,321.964 522.776,322.068 ; 522.673,326.126 cw(c522.673,325.136) 523.373,325.836 cw(c524.073,326.536) 523.083,326.536 ; 522.673,326.536 523.891,325.317 525.038,325.317 ; 522.682,-72.057 cw(c522.961,-72.336) 522.961,-71.942 ; 522.682,-71.801 ccw(c523.022,-71.461) 523.022,-71.942 ; 522.689,276.03 522.689,269.934 522.689,267.648 523.518,266.819 551.054,266.819 552.667,265.207 552.667,261.97 ; 522.759,318.061 cw(c522.384,317.686) 522.914,317.686 ; 522.928,338.398 529.64,338.398 531.545,338.398 ; 522.928,340.938 533.831,340.938 534.466,340.303 534.466,338.652 ; 523.3,338.027 cw(c524.196,337.131) 524.196,338.398 cw(c524.196,339.666) 523.3,338.77 ; 523.3,340.567 cw(c524.196,339.671) 524.196,340.938 cw(c524.196,342.206) 523.3,341.31 ; 523.623,324.036 523.623,323.461 523.798,323.285 v1(524.56,323.285) ; 523.709,262.881 ccw(c523.238,263.585) 524.085,263.585 ; 523.798,333.289 cw(c523.798,332.3) 524.498,333 ; 523.798,333.699 525.356,332.142 525.356,326.651 ; 523.909,303.31 v1@523.909,309.315 ; 523.909,304.092 ccw(c524.78,304.092) 524.164,303.476 ; 524.085,261.97 524.085,263.585 ; 524.144,333.636 ccw(c524.828,333.636) 524.345,333.153 ; 524.236,-173.772 ccw(c523.332,-172.764) 524.687,-172.764 ; 524.243,325.317 cw(c524.243,323.926) 525.228,324.91 ; 524.46,262.881 cw(c524.932,263.585) 524.085,263.585 ; 524.687,-174.625 524.687,-172.763 ; 524.977,-75.196 ccw(c523.631,-76.106) v1@523.631,-74.482